# Altium PCB SupBigBrrg_0.PcbDoc (part 21 of 29)
Units mm, origin at the board's own origin, x right, y up, seen from the top; angles counter-clockwise.
Board outline 400 x 344 mm, 6 copper layers (TopLayer, PlaneGnd, PlanePwr, MidLayer3, MidLayer4, BottomLayer); 1288 components, 1323 nets, 5024 pads, 1078 vias.
Unrouted connection lines stored in the file: 1824.
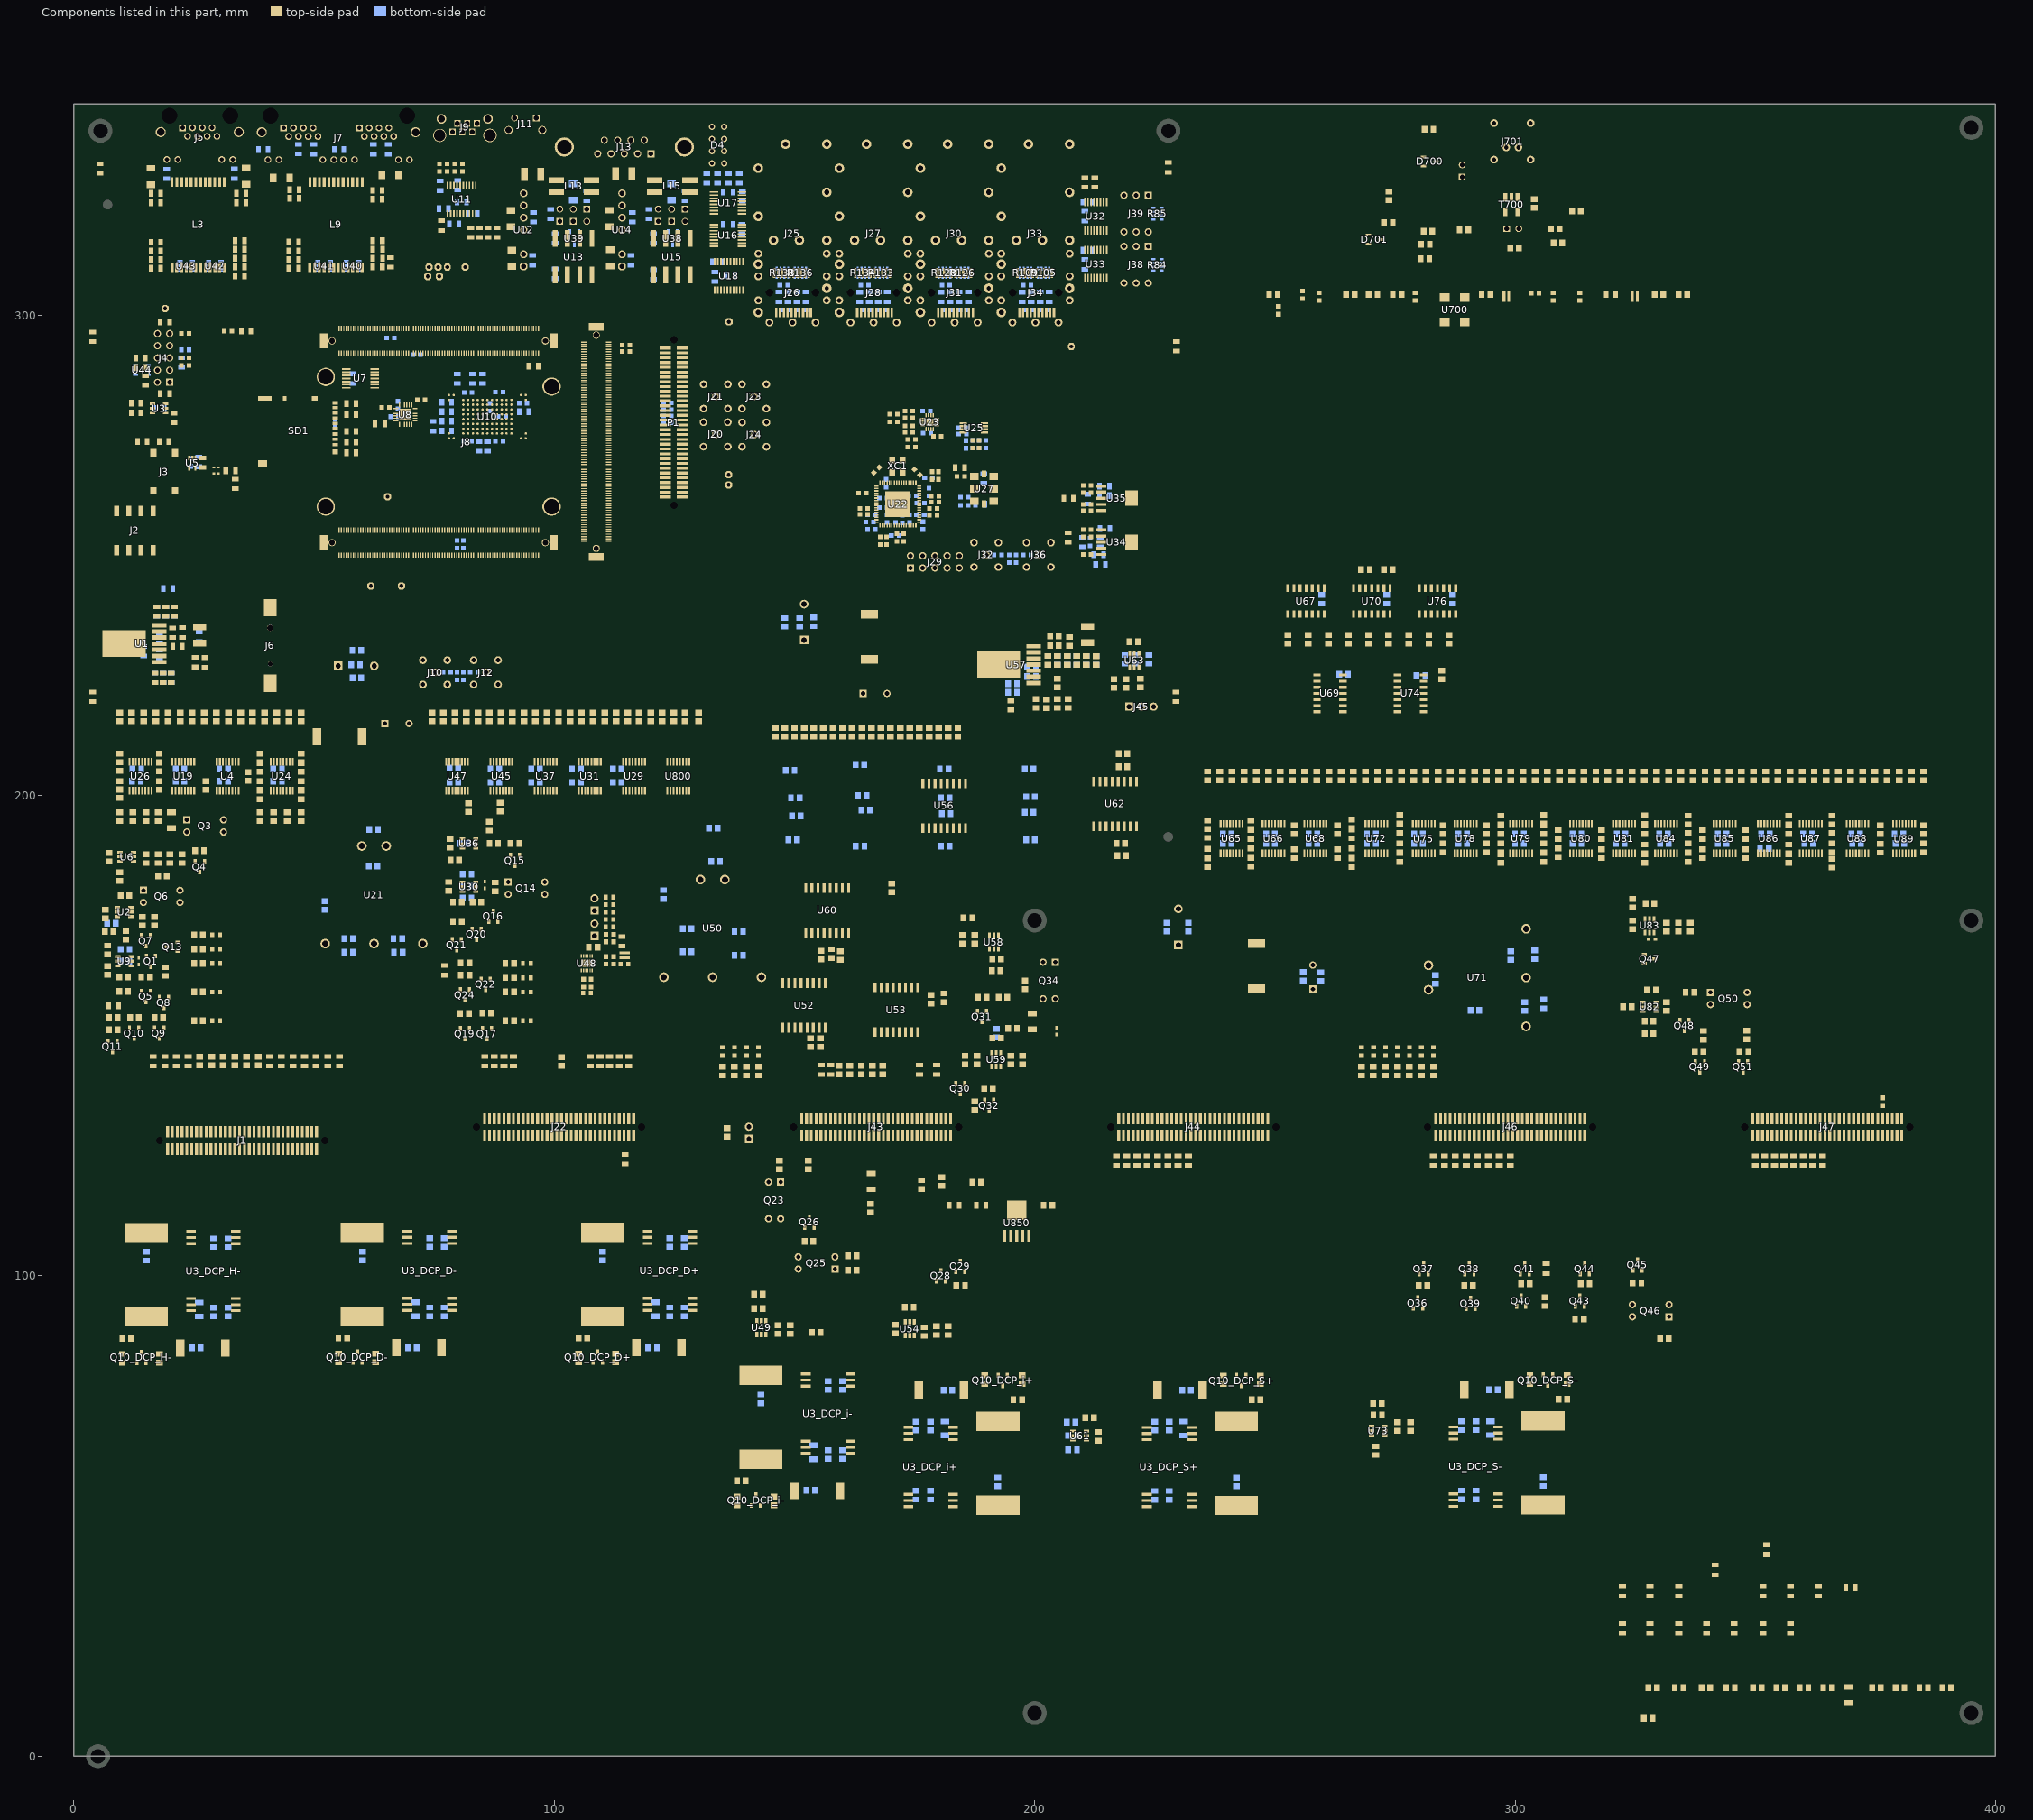
[diagram p25: the components of this part, seen from the top]

## Classes and differential pairs
net class IO_int[20..1]: IO_int4 IO_int5 IO_int6 IO_int7 IO_int8 IO_int9 IO_int10 IO_int11 IO_int12 IO_int13 IO_int14 IO_int15 IO_int16 IO_int17 IO_int18 IO_int19 IO_int20
channel class DCP: DCP_D+ DCP_D- DCP_H- DCP_i+ DCP_i- DCP_S+ DCP_S-
component class DCP_S-: C7_DCP_S- C8_DCP_S- C9_DCP_S- C10_DCP_S- C11_DCP_S- C12_DCP_S- C13_DCP_S- L17_DCP_S- L18_DCP_S- Q10_DCP_S- R19_DCP_S- R25_DCP_S- R27_DCP_S- U3_DCP_S-
component class DCP_S+: C7_DCP_S+ C8_DCP_S+ C9_DCP_S+ C10_DCP_S+ C11_DCP_S+ C12_DCP_S+ C13_DCP_S+ L17_DCP_S+ L18_DCP_S+ Q10_DCP_S+ R19_DCP_S+ R25_DCP_S+ R27_DCP_S+ U3_DCP_S+
component class DCP_i-: C7_DCP_i- C8_DCP_i- C9_DCP_i- C10_DCP_i- C11_DCP_i- C12_DCP_i- C13_DCP_i- L17_DCP_i- L18_DCP_i- Q10_DCP_i- R19_DCP_i- R25_DCP_i- R27_DCP_i- U3_DCP_i-
component class DCP_i+: C7_DCP_i+ C8_DCP_i+ C9_DCP_i+ C10_DCP_i+ C11_DCP_i+ C12_DCP_i+ C13_DCP_i+ L17_DCP_i+ L18_DCP_i+ Q10_DCP_i+ R19_DCP_i+ R25_DCP_i+ R27_DCP_i+ U3_DCP_i+
component class DCP_H-: C7_DCP_H- C8_DCP_H- C9_DCP_H- C10_DCP_H- C11_DCP_H- C12_DCP_H- C13_DCP_H- L17_DCP_H- L18_DCP_H- Q10_DCP_H- R19_DCP_H- R25_DCP_H- R27_DCP_H- U3_DCP_H-
component class DCP_D-: C7_DCP_D- C8_DCP_D- C9_DCP_D- C10_DCP_D- C11_DCP_D- C12_DCP_D- C13_DCP_D- L17_DCP_D- L18_DCP_D- Q10_DCP_D- R19_DCP_D- R25_DCP_D- R27_DCP_D- U3_DCP_D-
component class DCP_D+: C7_DCP_D+ C8_DCP_D+ C9_DCP_D+ C10_DCP_D+ C11_DCP_D+ C12_DCP_D+ C13_DCP_D+ L17_DCP_D+ L18_DCP_D+ Q10_DCP_D+ R19_DCP_D+ R25_DCP_D+ R27_DCP_D+ U3_DCP_D+
component class S_DCDC: C129 C146 C147 C149 C151 C153 C154 C157 C159 C160 C161 C210 C213 C215 C227 C230 C238 C247 C250 C257 C261 C269 D23 D24 D25 D26 D27 D28 D29 D30 L64 L75 Q36 Q37 Q38 Q39 Q40 Q41 Q43 Q44 Q45 Q46 Q47 Q48 Q49 Q50 Q51 R339 R383 R386 R387 R388 R391 R394 R401 R402 R404 R405 R408 R416 R427 R442 R449 R451 R452 R458 R459 R461 R462 R464 R466 R471 R473 R476 R480 R484 R513 R514 U61 U71 U73 U82 U83
component class i_DCDC: C84 C88 C91 C94 C95 C96 C97 C98 C99 C100 C102 C287 C288 C291 C292 C294 C297 C300 C303 C306 C307 D17 D18 D19 D20 D21 D22 L44 Q23 Q25 Q26 Q28 Q29 Q30 Q31 Q32 Q34 R260 R263 R265 R267 R268 R271 R272 R274 R276 R279 R302 R310 R314 R316 R318 R320 R321 R322 R323 R324 R326 R327 R328 R329 R330 R334 R517 U49 U50 U54 U58 U59
component class H_DCDC: C1 C1_1 C2 C2_1 C61 C61_1 C62 C62_1 C63 C63_1 C64 C64_1 C65 C65_1 C66 C66_1 C68 C68_1 C327 C330 C331 C332 C333 C338 C342 C343 C344 C345 C356 D6 D6_1 D7 D8 D9 D10 D11 L32 L34 Q1 Q3 Q4 Q5 Q6 Q7 Q8 Q9 Q10 Q11 Q13 R6 R6_1 R47 R47_1 R49 R49_1 R50 R50_1 R51 R51_1 R67 R67_1 R76 R78 R82 R86 R87 R89 R92 R99 R100 R101 R104 R106 R107 R111 R114 R131 R205 R534 U2 U2_1 U6 U9 U21
component class D_DCDC: C67 C67_1 C69 C69_1 C73 C73_1 C74 C74_1 C321 C324 D12 D13 D14 D15 D16 L42 Q14 Q15 Q16 Q17 Q19 Q20 Q21 Q22 Q24 R4_1 R215 R216 R217 R219 R221 R222 R225 R227 R229 R231 R232 R240 R251 R257 R524 R525 U30 U36
component class RF_S: C189 C191 C192 C193 C194 C195 C196 C201 C202 C203 C204 C205 C206 C207 C208 C209 C216 C226 C233 C234 C240 C241 C243 C244 C248 C249 C251 C252 C254 C255 J44 J46 J47 L54 L55 L56 L57 L59 L60 L61 L62 L65 L66 L67 L69 L70 L71 L72 L73 L76 L77 L78 L79 L80 L81 L82 L83 L84 L90 L94 L98 L102 L104 L106 L108 L109 L?1 L?5 L?6 L?8 L?12 L?16 L?18 L?20 L?21 R347 R348 R349 R350 R351 R352 R354 R355 R356 R357 R358 R359 R361 R363 R364 R366 R367 R368 R369 R371 R373 R374 R375 R376 R378 R379 R380 R381 R382 R384 R389 R393 R395 R396 R397 R398 R399 R403 R406 R409 R411 R412 R414 R415 R417 R418 R419 R420 R421 R422 R423 R424 R425 R426 R428 R430 R431 R432 R433 R434 R435 R436 R437 R439 R441 R443 R444 R445 R446 R447 R448 R450 R453 R454 R455 R456 R457 R460 R463 R465 R467 R468 R469 R470 R472 R474 R475 R477 R478 R479 R481 R482 R483 R485 R486 R487 R488 R489 R490 R491 R492 R493 R494 R495 R496 R497 R498 R499 R500 R501 R502 R503 R504 R505 R506 R507 R508 R509 R510 R511 U65 U66 U68 U72 U75 U78 U79 U80 U81 U84 U85 U86 U87 U88 U89
component class RF_i: C143 C145 C274 C275 C280 C281 C289 C290 C295 C296 C850 C851 C852 D850 J40 J43 L46 L47 L48 L50 L85 L91 L95 L99 L103 L105 L107 L850 L851 L?1 L?5 L?6 L?12 L?16 L?18 L?20 R261 R277 R278 R280 R281 R282 R284 R285 R286 R287 R288 R290 R291 R293 R294 R295 R296 R297 R298 R299 R300 R301 R303 R304 R305 R306 R307 R308 R309 R311 R312 R313 R315 R317 R319 R341 R342 R515 R516 R518 R519 R520 R521 R522 R523 R850 R851 U52 U53 U56 U60 U62 U850
component class RF_H: C339 C340 C346 C347 C354 C355 C357 C359 D5 J1 J1_1 L25 L26 L27 L28 L29 L30 L86 L88 L92 L97 L101 L?1 L?5 L?12 L?16 L?20 R48 R48_1 R52 R52_1 R80 R83 R97 R98 R102 R103 R110 R113 R117 R121 R123 R125 R129 R135 R137 R168 R173 R181 R182 R187 R188 R195 R196 R197 R198 R201 R202 R203 R204 R206 R207 R208 R209 R210 R212 R213 R214 R526 R527 R528 R529 R530 R531 R532 R533 U4 U19 U24 U26
component class RF_D: C76 C79 C81 C82 C83 C87 C93 C308 C309 C316 C317 C319 C320 C322 C323 C325 C326 C800 C801 D800 J22 J22_1 J41 J42 L35 L37 L38 L39 L40 L43 L87 L89 L93 L96 L100 R4 R4_1 R218 R220 R223 R224 R226 R228 R230 R233 R234 R235 R237 R239 R241 R242 R244 R245 R247 R248 R249 R250 R252 R253 R254 R255 R256 R258 R259 R262 R264 R266 R269 R270 R273 R275 R800 R801 R802 R803 R804 R805 R806 R807 R808 R809 R810 U29 U31 U37 U45 U47 U48 U800
component class RF_Ctl: C108 C109 C112 C117 C120 C122 C125 C127 C136 C142 C148 C237 C239 C242 C245 C246 C264 C265 C266 C267 C268 C270 C271 C272 C273 C276 C277 J45 L53 R331 R335 R336 R337 R338 R340 R343 R344 R345 R365 R370 R372 R377 R385 R390 R392 R400 R407 R410 R413 R512 U57 U63 U67 U69 U70 U74 U76
net class EMMC_RFU: EMMC_RFU1 EMMC_RFU2 EMMC_RFU3 EMMC_RFU4 EMMC_RFU5 EMMC_RFU6 EMMC_RFU7 EMMC_RFU8 EMMC_RFU9 EMMC_RFU10 EMMC_RFU11 EMMC_RFU12 EMMC_RFU13 EMMC_RFU14 EMMC_RFU15 EMMC_RFU16 EMMC_RFU17 EMMC_RFU18 EMMC_RFU19 EMMC_RFU20 EMMC_RFU21 EMMC_RFU22 EMMC_RFU23 EMMC_RFU24 EMMC_RFU25 EMMC_RFU26 EMMC_RFU27 EMMC_RFU28 EMMC_RFU29 EMMC_RFU30 EMMC_RFU31 EMMC_RFU32 EMMC_RFU33 EMMC_RFU34 EMMC_RFU35 EMMC_RFU36 EMMC_RFU37 EMMC_RFU38 EMMC_RFU39 EMMC_RFU40 EMMC_RFU41 EMMC_RFU42 EMMC_RFU43 EMMC_RFU44 EMMC_RFU45 EMMC_RFU46 EMMC_RFU47 EMMC_RFU48 EMMC_RFU49 EMMC_RFU50 EMMC_RFU51 EMMC_RFU52 EMMC_RFU53 EMMC_RFU54 SDEPAD1 SDEPAD2 SDEPAD3 SDEPAD4 SDEPAD5 SDEPAD6
component class U_power_REG104GA_3V3: C54 C55 C59 C60 C71 C72 U35
component class U_power_REG104GA_1V8: C56 C57 C58 C70 C75 C77 R91 R96 U34
component class U_Si5395_CLK_GEN: C1_1 C21 C37 C38 C39 C40 C41 C42 C43 C44 C45 C46 C47 C48 C49 C50 C51 C61_1 C63_1 C64_1 C67_1 C73_1 C103 C104 C106 C107 C114 C115 C116 C118 C119 C121 C123 C124 C126 C128 C131 C132 C133 C135 C137 C138 C139 C700 C701 C702 C703 C704 C705 C706 C707 C708 C709 C710 C711 C712 C713 C714 D700 D701 J22_1 J29 J32 J35 J36 J700 J701 J702 L700 R4_1 R6_1 R47_1 R51_1 R53 R54 R55 R56 R57 R58 R59 R60 R61 R62 R63 R65 R66 R67_1 R73 R74 R90 R95 R108 R112 R115 R116 R118 R119 R120 R122 R124 R127 R130 R132 R700 R701 R702 R703 R704 R705 R706 R707 R708 R709 R710 R711 R712 T700 U2_1 U22 U23 U25 U27 U700 XC1
channel class SFPplusConn: U_SFPplusConn_0 U_SFPplusConn_1 U_SFPplusConn_2 U_SFPplusConn_3
component class U_SFPplusConn_3: C85 C86 C89 C90 C92 J33 J34 L1 L16 L17 R105 R109
component class U_SFPplusConn_2: C101 C105 C110 C111 C113 J30 J31 L18 L19 R126 R128
component class U_SFPplusConn_1: C130 C134 C140 C141 C144 J27 J28 L20 L21 R133 R134
component class U_SFPplusConn_0: C150 C152 C155 C156 C158 J25 J26 L22 L23 R136 R138
component class U_Power_3V3_LDO: C212 C214 R21 U5
component class main: C9 C14 C18 C32 C35 C36 C67_1 C78 C80 C162 C163 C164 C185 C188 C199 C221 D1 D2 D3 D4 J2 J3 J6 J10 J11 J12 J13 J20 J21 J23 J24 J38 J39 P1 R1 R2 R3 R4_1 R6_1 R7 R8 R10 R22 R25 R47_1 R75 R77 R79 R80 R81 R84 R85 R93 R94 R139 R140 R141 R142 R143 R144 R145 R146 R149 R150 R151 R152 R159 R160 R161 R162 TP1 TP2 TP3 TP4 TP5 TP6 TP7 TP8 TP9 TP10 TP11 TP12 TP13 TP14 U3 U7 U16 U17 U18 U32 U33
channel class can_phy: U_can_phy1 U_can_phy2
component class U_can_phy2: C33 C34 C165 C166 C167 C168 C169 J17 J18 J19 L14 L15 R147 R148 R153 R154 U14 U15 U38
component class U_can_phy1: C30 C31 C170 C171 C172 C173 C174 J14 J15 J16 L12 L13 R155 R156 R157 R158 U12 U13 U39
net class PowerLines: VD_TMP
component class 3V3_POWER: C7 C8 C10 C11 C12 C13 C15 C16 C17 C61_1 C63_1 C217 C218 C219 C220 C222 C223 C224 C225 L4 R16 R17 R189 R192 R194 U1 U2_1
component class U_sdcard_emmc: C175 C176 C177 C178 C179 C180 C182 C183 C197 C198 C200 R28 R29 R30 R31 R32 R35 R36 R37 R163 R164 R165 R166 R167 R169 R170 R171 R172 R175 SD1 U8 U10
component class U_jtag: C3 C73_1 J4 J22_1 R9 R11 R14 R15 R18 R19 R20 R51_1 R67_1 R69 R177 R190 R191 U44
component class U_uart_adm3222: C181 C184 C186 C187 C190 J9 R38 R39 R40 R41 R42 R43 R44 R45 R46 R174 U11
component class U_ethernet_dual_100mbe_ext_magn: C23 C24 C25 C26 C27 C28 C29 J7 L7 L8 L9 L10 L11 R26 R27 R33 R34 R178 R179 R180 R183 R184 R185 U40 U41
net class IO_AR[22..1]: IO_AR1 IO_AR2 IO_AR3 IO_AR4 IO_AR5 IO_AR6 IO_AR7 IO_AR8 IO_AR9 IO_AR10 IO_AR11 IO_AR12 IO_AR13 IO_AR14 IO_AR15 IO_AR16 IO_AR17 IO_AR18 IO_AR19 IO_AR20 IO_AR21 IO_AR22
net class IO_AL[22..1]: IO_AL1 IO_AL2 IO_AL3 IO_AL4 IO_AL5 IO_AL6 IO_AL7 IO_AL8 IO_AL9 IO_AL10 IO_AL11 IO_AL12 IO_AL13 IO_AL14 IO_AL15 IO_AL16 IO_AL17 IO_AL18 IO_AL19 IO_AL20 IO_AL21 IO_AL22 IO_AL25
component class U_ethernet_1gbe_ext_magn: C1_1 C4 C5 C6 C19 C20 C21 C22 C64_1 J5 J35 L2 L3 L5 L6 L7 R12 R13 R23 R24 R186 R193 U42 U43
net class IO_CR[40..1]: IO_CR1 IO_CR2 IO_CR3 IO_CR4 IO_CR5 IO_CR6 IO_CR7 IO_CR8 IO_CR9 IO_CR10 IO_CR11 IO_CR12 IO_CR13 IO_CR14 IO_CR15 IO_CR16 IO_CR17 IO_CR18 IO_CR19 IO_CR20 IO_CR21 IO_CR22 IO_CR23 IO_CR24 IO_CR25 IO_CR26 IO_CR27 IO_CR28 IO_CR29 IO_CR30 IO_CR31 IO_CR32 IO_CR33 IO_CR34 IO_CR35 IO_CR36 IO_CR37 IO_CR38 IO_CR39 IO_CR40
net class IO_CL[40..1]: IO_CL1 IO_CL2 IO_CL3 IO_CL4 IO_CL5 IO_CL6 IO_CL7 IO_CL8 IO_CL9 IO_CL10 IO_CL11 IO_CL12 IO_CL13 IO_CL14 IO_CL15 IO_CL16 IO_CL17 IO_CL18 IO_CL19 IO_CL20 IO_CL21 IO_CL22 IO_CL23 IO_CL24 IO_CL25 IO_CL26 IO_CL27 IO_CL28 IO_CL29 IO_CL30 IO_CL31 IO_CL32 IO_CL33 IO_CL34 IO_CL35 IO_CL36 IO_CL37 IO_CL38 IO_CL39 IO_CL40
net class IO_CR_FX[16..1]: IO_CR_FX1 IO_CR_FX2 IO_CR_FX3 IO_CR_FX4 IO_CR_FX5 IO_CR_FX6 IO_CR_FX7 IO_CR_FX8 IO_CR_FX9 IO_CR_FX10 IO_CR_FX11 IO_CR_FX12 IO_CR_FX13 IO_CR_FX14 IO_CR_FX15 IO_CR_FX16
net class IO_CL_FX[16..1]: IO_CL_FX1 IO_CL_FX2 IO_CL_FX3 IO_CL_FX4 IO_CL_FX5 IO_CL_FX6 IO_CL_FX7 IO_CL_FX8 IO_CL_FX9 IO_CL_FX10 IO_CL_FX11 IO_CL_FX12 IO_CL_FX13 IO_CL_FX14 IO_CL_FX15 IO_CL_FX16
net class IO_BR[36..1]: IO_BR1 IO_BR2 IO_BR3 IO_BR4 IO_BR5 IO_BR6 IO_BR7 IO_BR8 IO_BR9 IO_BR10 IO_BR11 IO_BR12 IO_BR13 IO_BR14 IO_BR15 IO_BR16 IO_BR17 IO_BR18 IO_BR19 IO_BR20 IO_BR21 IO_BR22 IO_BR23 IO_BR24 IO_BR25 IO_BR26 IO_BR27 IO_BR28 IO_BR29 IO_BR30 IO_BR31 IO_BR32 IO_BR33 IO_BR34 IO_BR35 IO_BR36
net class IO_BL[38..1]: IO_BL1 IO_BL2 IO_BL3 IO_BL4 IO_BL5 IO_BL6 IO_BL7 IO_BL8 IO_BL9 IO_BL10 IO_BL11 IO_BL12 IO_BL13 IO_BL14 IO_BL15 IO_BL16 IO_BL17 IO_BL18 IO_BL19 IO_BL20 IO_BL21 IO_BL22 IO_BL23 IO_BL24 IO_BL25 IO_BL26 IO_BL27 IO_BL28 IO_BL29 IO_BL30 IO_BL31 IO_BL32 IO_BL33 IO_BL34 IO_BL35 IO_BL36 IO_BL37 IO_BL38
net class BOOT_MODE[1..0]: BOOT_MODE0 BOOT_MODE1
component class U_cyc_v_som_A: J8 R176
differential pair DDS_CLK: +DDS_CLK_P -DDS_CLK_N
differential pair C_TEST: +C_TEST_P -C_TEST_N
differential pair C_REF: +C_REF_P -C_REF_N
differential pair IN2: +IN2_P -IN2_N
differential pair MGT_TX8.IO: +MGT_TX8.IO_P -MGT_TX8.IO_N
differential pair MGT_RX8.IO: +MGT_RX8.IO_P -MGT_RX8.IO_N
differential pair QBR: +QBR_P -QBR_N
differential pair Q9: +Q9_P -Q9_N
differential pair OUT9: +OUT9_P -OUT9_N
differential pair MGT_TX6: +MGT_TX6_P -MGT_TX6_N
differential pair TX_LEMO: +TX_LEMO_P -TX_LEMO_N
differential pair AQ1: +AQ1_P -AQ1_N
differential pair GTP_REF2.IO: +GTP_REF2.IO_P -GTP_REF2.IO_N
differential pair GTP_REF1.IO: +GTP_REF1.IO_P -GTP_REF1.IO_N
differential pair GTP_REF0.IO: +GTP_REF0.IO_P -GTP_REF0.IO_N
differential pair ZDIN: +ZDIN_P -ZDIN_N
differential pair OUT6: +OUT6_P -OUT6_N
differential pair OUT4: +OUT4_P -OUT4_N
differential pair OUT2: +OUT2_P -OUT2_N
differential pair IN1: +IN1_P -IN1_N
differential pair FPLLIN: +FPLLIN_P -FPLLIN_N
differential pair ZDO: +ZDO_P -ZDO_N
differential pair CMP_CLK: +CMP_CLK_P -CMP_CLK_N
differential pair SFP_TX_0.IO: +SFP_TX_0.IO_P -SFP_TX_0.IO_N
differential pair SFP_RX_0.IO: +SFP_RX_0.IO_P -SFP_RX_0.IO_N
differential pair SFP_TX_3.IO: +SFP_TX_3.IO_P -SFP_TX_3.IO_N
differential pair SFP_TX_2.IO: +SFP_TX_2.IO_P -SFP_TX_2.IO_N
differential pair SFP_TX_1.IO: +SFP_TX_1.IO_P -SFP_TX_1.IO_N
differential pair SFP_RX_3.IO: +SFP_RX_3.IO_P -SFP_RX_3.IO_N
differential pair SFP_RX_2.IO: +SFP_RX_2.IO_P -SFP_RX_2.IO_N
differential pair SFP_RX_1.IO: +SFP_RX_1.IO_P -SFP_RX_1.IO_N
differential pair ETH0_J3: +ETH0_J3_P -ETH0_J3_N
differential pair ETH0_J2: +ETH0_J2_P -ETH0_J2_N
differential pair ETH0_J4: +ETH0_J4_P -ETH0_J4_N
differential pair ETH0_J1: +ETH0_J1_P -ETH0_J1_N
differential pair ETH1B_TX: +ETH1B_TX_P -ETH1B_TX_N
differential pair ETH1B_RX: +ETH1B_RX_P -ETH1B_RX_N
differential pair ETH1A_TX: +ETH1A_TX_P -ETH1A_TX_N
differential pair ETH1A_RX: +ETH1A_RX_P -ETH1A_RX_N
differential pair ETH0_D: +ETH0_D_P -ETH0_D_N
differential pair ETH0_C: +ETH0_C_P -ETH0_C_N
differential pair ETH0_B: +ETH0_B_P -ETH0_B_N
differential pair ETH0_A: +ETH0_A_P -ETH0_A_N

## Components (designator, comment, footprint, x,y, rotation, side; value= is the part's Value field where it differs from the comment)
C1 "100nF" SMD0805CAP 6.498,176.352 r270 top locked (schematic designator C248)
C2 "100nF" SMD0805CAP 8.802,173.398 r180 bottom locked (schematic designator C249)
C3 "0.1uF" CAPC2012N 13.875,289.125 r0 top locked (schematic designator C81)
C4 "1nF; 2kV" CAPC3216N 16.035,328.885 r270 top locked value=1nF (schematic designator C88)
C5 "1uF" CAPC2012N 17.035,309.785 r0 top locked (schematic designator C131)
C6 "1uF" CAPC2012N 17.06,315.185 r0 top locked (schematic designator C120)
C7 "22uF" CAPC2012N 16.825,224.475 r270 top locked (schematic designator C82)
C7_DCP_D+ "100nF" SMD0805CAP 110.048,103.148 r90 bottom locked (schematic designator C7)
C7_DCP_D- "100nF" SMD0805CAP 60.048,103.148 r90 bottom locked (schematic designator C7)
C7_DCP_H- "100nF" SMD0805CAP 15.048,103.098 r90 bottom locked (schematic designator C7)
C7_DCP_i+ "100nF" SMD0805CAP 192.352,58.117 r270 bottom locked (schematic designator C7)
C7_DCP_i- "100nF" SMD0805CAP 142.998,73.398 r90 bottom locked (schematic designator C7)
C7_DCP_S+ "100nF" SMD0805CAP 242.002,58.102 r270 bottom locked (schematic designator C7)
C7_DCP_S- "100nF" SMD0805CAP 305.852,58.187 r270 bottom locked (schematic designator C7)
C8 "22uF" CAPC2012N 17.2,238.325 r270 top locked (schematic designator C98)
C8_DCP_D+ "100nF" SMD0805CAP 121.452,85.048 r180 bottom locked (schematic designator C8)
C8_DCP_D- "100nF" SMD0805CAP 71.452,85.048 r180 bottom locked (schematic designator C8)
C8_DCP_H- "100nF" SMD0805CAP 26.452,84.998 r180 bottom locked (schematic designator C8)
C8_DCP_i+ "100nF" SMD0805CAP 180.948,76.217 r0 bottom locked (schematic designator C8)
C8_DCP_i- "100nF" SMD0805CAP 154.402,55.298 r180 bottom locked (schematic designator C8)
C8_DCP_S+ "100nF" SMD0805CAP 230.598,76.202 r0 bottom locked (schematic designator C8)
C8_DCP_S- "100nF" SMD0805CAP 294.448,76.287 r0 bottom locked (schematic designator C8)
C9 "0.1uF" CAPC2012N 18.735,273.735 r0 top locked (schematic designator C119)
C9_DCP_D+ "2u2F" SMD0805CAP 127.048,105.948 r90 bottom locked (schematic designator C9)
C9_DCP_D- "2u2F" SMD0805CAP 77.048,105.948 r90 bottom locked (schematic designator C9)
C9_DCP_H- "2u2F" SMD0805CAP 32.048,105.898 r90 bottom locked (schematic designator C9)
C9_DCP_i+ "2u2F" SMD0805CAP 175.352,55.317 r270 bottom locked (schematic designator C9)
C9_DCP_i- "2u2F" SMD0805CAP 159.998,76.198 r90 bottom locked (schematic designator C9)
C9_DCP_S+ "2u2F" SMD0805CAP 225.002,55.302 r270 bottom locked (schematic designator C9)
C9_DCP_S- "2u2F" SMD0805CAP 288.852,55.387 r270 bottom locked (schematic designator C9)
C10 "22uF" CAPC2012N 18.55,224.475 r270 top locked (schematic designator C83)
C10_DCP_D+ "2u2F" SMD0805CAP 124.052,93.527 r270 bottom locked (schematic designator C10)
C10_DCP_D- "2u2F" SMD0805CAP 74.052,93.527 r270 bottom locked (schematic designator C10)
C10_DCP_H- "2u2F" SMD0805CAP 29.052,93.477 r270 bottom locked (schematic designator C10)
C10_DCP_i+ "2u2F" SMD0805CAP 178.348,67.738 r90 bottom locked (schematic designator C10)
C10_DCP_i- "2u2F" SMD0805CAP 157.002,63.777 r270 bottom locked (schematic designator C10)
C10_DCP_S+ "2u2F" SMD0805CAP 227.998,67.723 r90 bottom locked (schematic designator C10)
C10_DCP_S- "2u2F" SMD0805CAP 291.848,67.808 r90 bottom locked (schematic designator C10)
C11 "22uF" CAPC2012N 19.075,238.325 r270 top locked (schematic designator C96)
C11_DCP_D+ "20uF" CAPC1206 121.05,93.05 r270 bottom locked (schematic designator C11)
C11_DCP_D- "20uF" CAPC1206 71.05,93.05 r270 bottom locked (schematic designator C11)
C11_DCP_H- "20uF" CAPC1206 26.05,93 r270 bottom locked (schematic designator C11)
C11_DCP_i+ "20uF" CAPC1206 181.35,68.215 r90 bottom locked (schematic designator C11)
C11_DCP_i- "20uF" CAPC1206 154,63.3 r270 bottom locked (schematic designator C11)
C11_DCP_S+ "20uF" CAPC1206 231,68.2 r90 bottom locked (schematic designator C11)
C11_DCP_S- "20uF" CAPC1206 294.85,68.285 r90 bottom locked (schematic designator C11)
C12 "0.1uF" CAPC2012N 20.25,224.475 r90 top locked (schematic designator C97)
C12_DCP_D+ "100nF" SMD0805CAP 127.052,93.527 r270 bottom locked (schematic designator C12)
C12_DCP_D- "100nF" SMD0805CAP 77.052,93.527 r270 bottom locked (schematic designator C12)
C12_DCP_H- "100nF" SMD0805CAP 32.052,93.477 r270 bottom locked (schematic designator C12)
C12_DCP_i+ "100nF" SMD0805CAP 175.348,67.738 r90 bottom locked (schematic designator C12)
C12_DCP_i- "100nF" SMD0805CAP 160.002,63.777 r270 bottom locked (schematic designator C12)
C12_DCP_S+ "100nF" SMD0805CAP 224.998,67.723 r90 bottom locked (schematic designator C12)
C12_DCP_S- "100nF" SMD0805CAP 288.848,67.808 r90 bottom locked (schematic designator C12)
C13 "120pF" CAPC2012N 21.535,231.11 r180 top locked (schematic designator C100)
C13_DCP_D+ "100nF" SMD0805CAP 124.048,105.948 r90 bottom locked (schematic designator C13)
C13_DCP_D- "100nF" SMD0805CAP 74.048,105.948 r90 bottom locked (schematic designator C13)
C13_DCP_H- "100nF" SMD0805CAP 29.048,105.898 r90 bottom locked (schematic designator C13)
C13_DCP_i+ "100nF" SMD0805CAP 178.352,55.317 r270 bottom locked (schematic designator C13)
C13_DCP_i- "100nF" SMD0805CAP 156.998,76.198 r90 bottom locked (schematic designator C13)
C13_DCP_S+ "100nF" SMD0805CAP 228.002,55.302 r270 bottom locked (schematic designator C13)
C13_DCP_S- "100nF" SMD0805CAP 291.852,55.387 r270 bottom locked (schematic designator C13)
C14 "270pF" CAPC2012N 20.85,278.625 r270 top locked (schematic designator C117)
C15 "0.1uF" CAPC2012N 20.95,238.325 r90 top locked (schematic designator C87)
C16 "22uF" CAPC2012N 25.2,227.75 r90 top locked (schematic designator C102)
C17 "22uF" CAPC2012N 27.25,227.725 r90 top locked (schematic designator C103)
C18 "22uF" CAPC2012N 33.61,264.885 r90 top locked (schematic designator C132)
C19 "1uF" CAPC2012N 34.51,308.185 r0 top locked (schematic designator C71)
C20 "1uF" CAPC2012N 34.51,310.085 r180 top locked (schematic designator C90)
C21 "100nF" CAPC1608X87N 376.5,136.25 r270 top locked
C21 "1uF" CAPC2012N 34.51,315.485 r180 top locked (schematic designator C91)
C22 "1nF; 2kV" CAPC3216N 35.81,328.935 r270 top locked value=1nF (schematic designator C89)
C23 "1nF; 2kV" CAPC3216N 43.2,328.575 r180 top locked value=1nF (schematic designator C111)
C24 "1uF" CAPC2012N 45.75,309.775 r0 top locked (schematic designator C116)
C25 "1uF" CAPC2012N 45.75,315.2 r0 top locked (schematic designator C115)
C26 "1uF" CAPC2012N 63.2,310.075 r180 top locked (schematic designator C113)
C27 "1uF" CAPC2012N 63.2,315.5 r180 top locked (schematic designator C114)
C28 "1nF; 2kV" CAPC3216N 65.835,329.185 r180 top locked value=1nF (schematic designator C118)
C29 "1uF" CAPC2012N 65.9,310.975 r90 top locked (schematic designator C92)